# Altium PCB MainBoard_6_layers.PcbDoc (part 5 of 6)
Units mil, origin at the board's own origin, x right, y up, seen from the top; angles counter-clockwise.
Board outline 6692.91 x 6692.91 mil, 6 copper layers (Top Layer, Layer 1, Layer 3, Layer 4, Layer 2, Bottom Layer), stack 32.112 mil thick; 236 components, 405 nets, 1909 pads, 1279 vias.
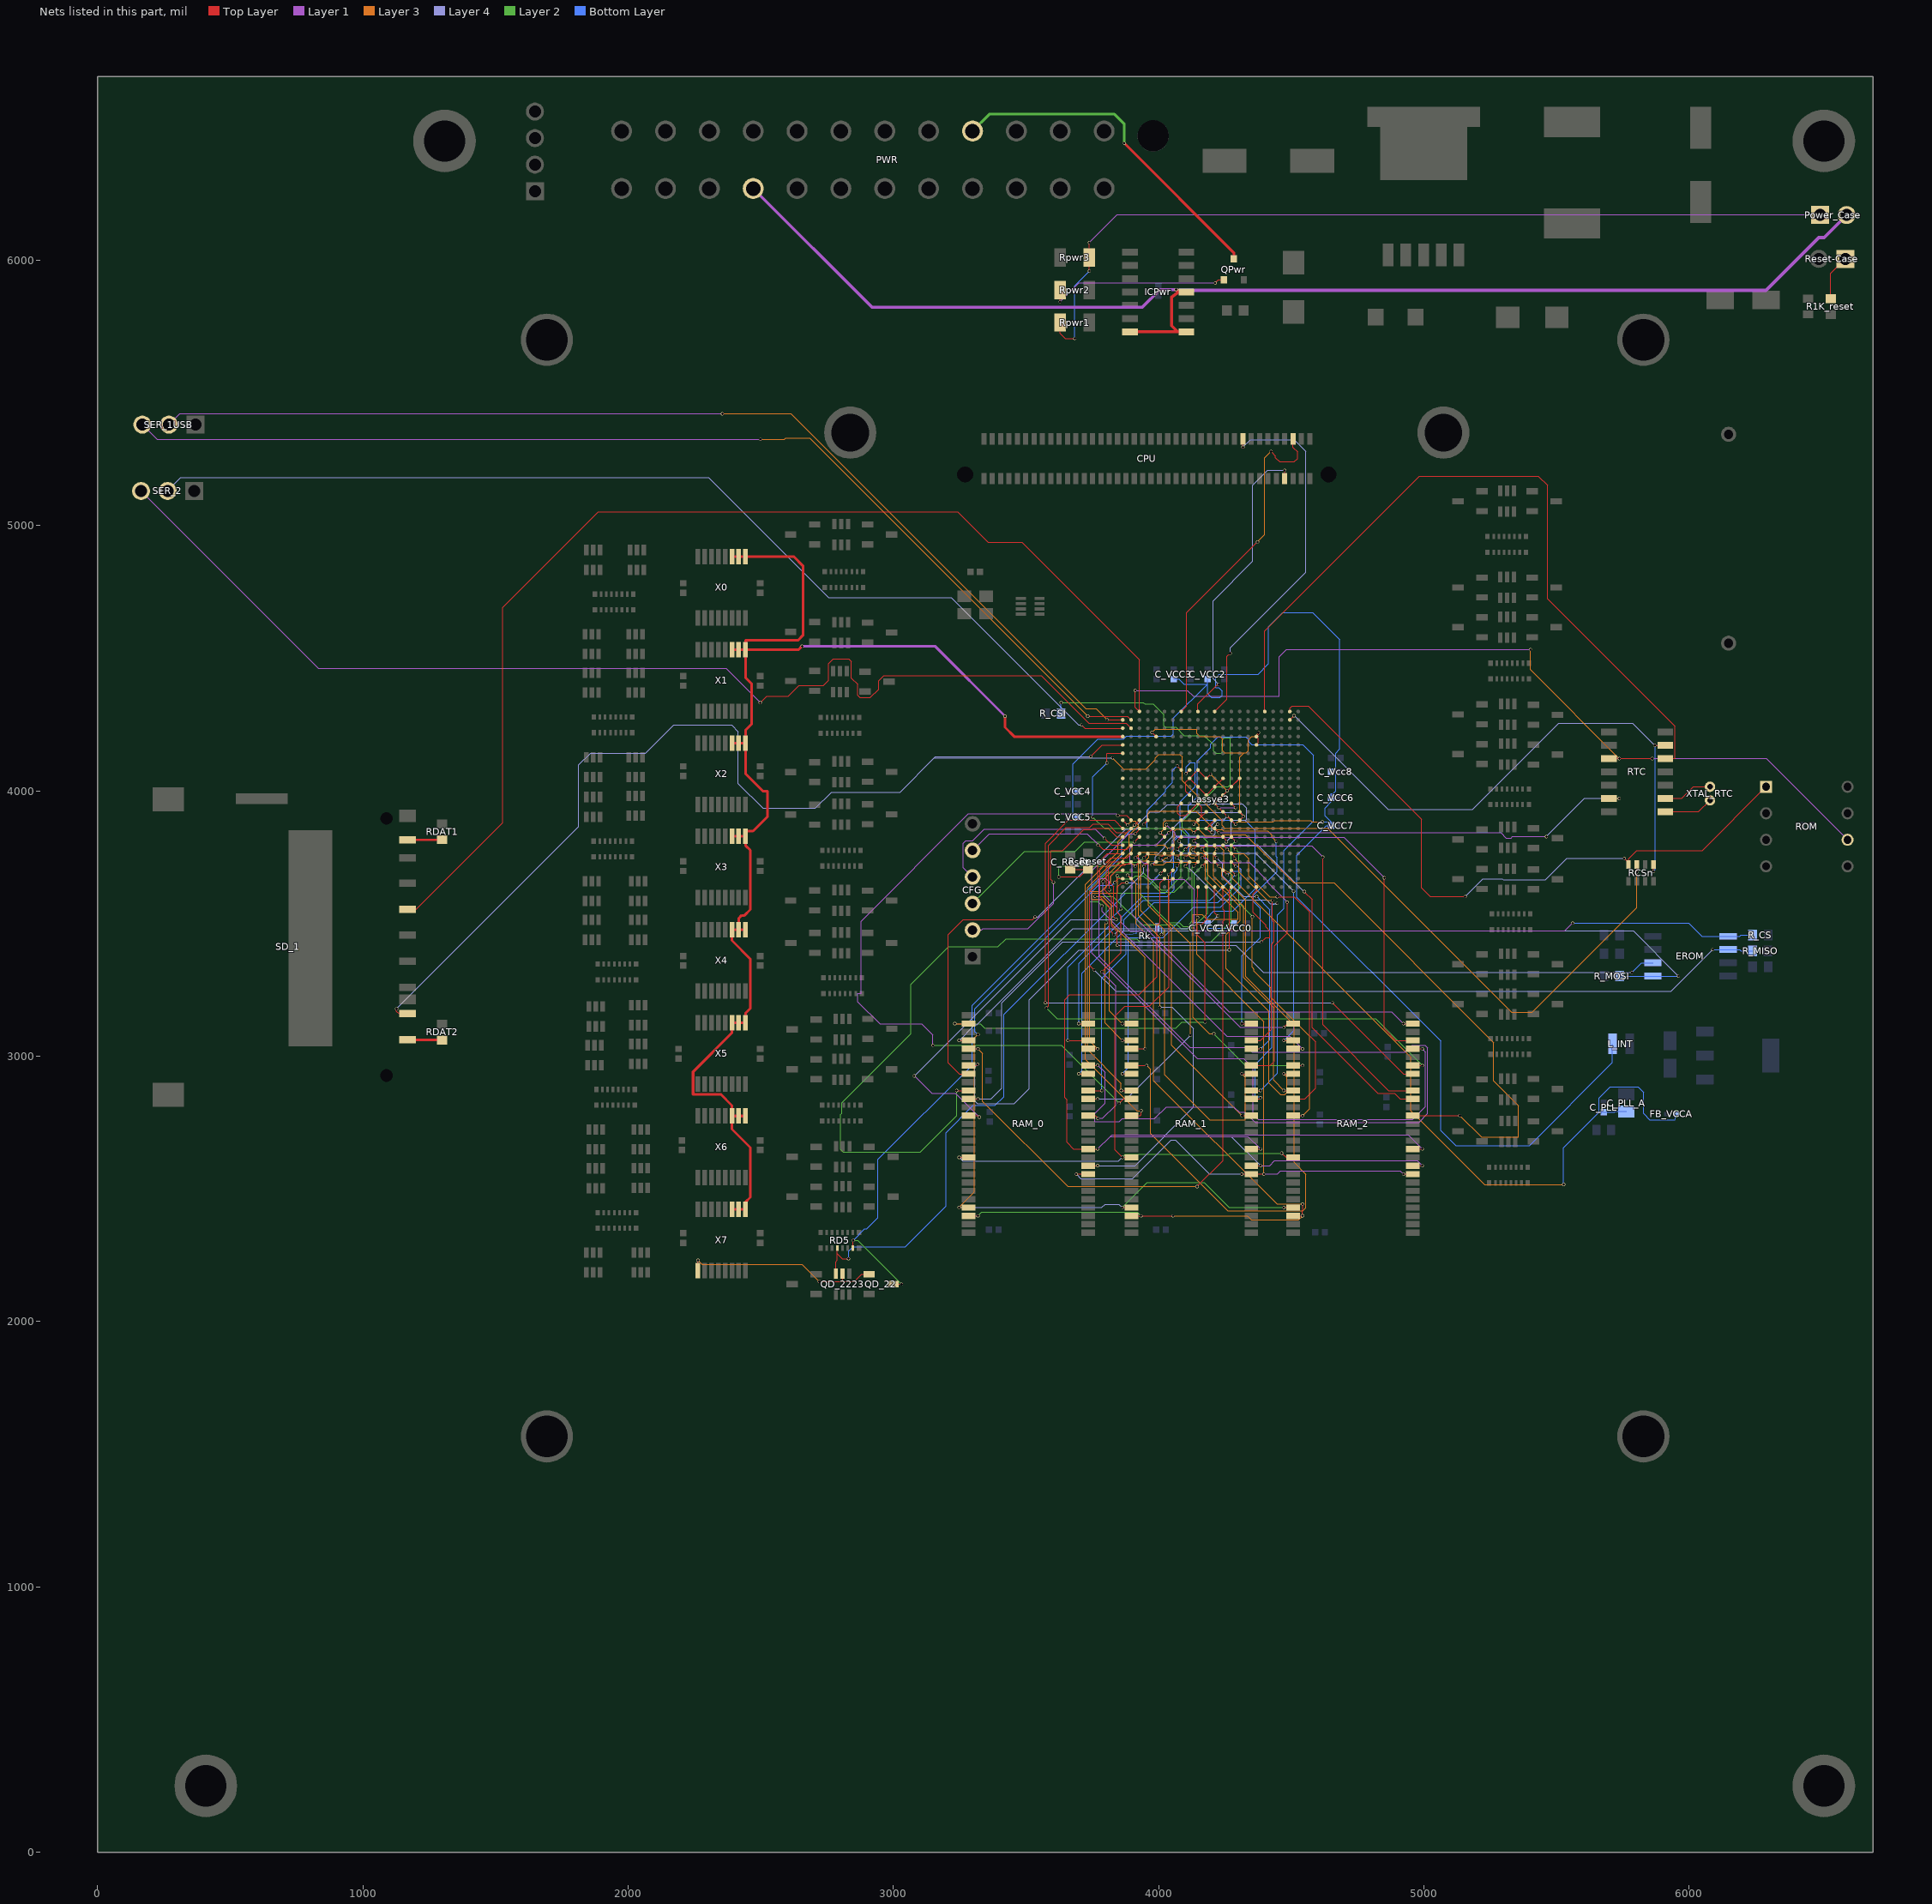
[diagram p9: the nets of this part, all layers, seen from the top]

## Via types
v1: diameter 11.81, hole 9.84, Top Layer to Bottom Layer, tented both sides, 1273 vias
v2: diameter 11.81, hole 9.84, Top Layer to Bottom Layer, 3 vias
v3: diameter 19.68, hole 13.78, Top Layer to Bottom Layer, tented both sides, 2 vias
v4: diameter 47.24, hole 35.43, Top Layer to Bottom Layer, tented both sides, 1 vias

## Nets (pads, with @x,y where several pads share a name; then routed paths per layer and width w, separated by ;. In a path a pad name is that pad's centre, name@x,y a point inside that pad or via, vN(x,y) a via of type N, cw(c..) or ccw(c..) an arc to the next point about the centre after c; other vN are vias at no path point) (continued)
NetLassye3_AB10: Lassye3.AB10 RAM_0.35 RAM_1.35 RAM_2.35 | length 2631
  Top Layer w4: v1(3689.91,2556.02) RAM_0.35@3734.17,2556.02 ; v1(4146.91,3523) 4146.23,3523.69 4146.23,3559.16 Lassye3.AB10@4148.19,3638.22 ; v1(4313.78,2556.02) RAM_1.35@4349.17,2556.02 v1(4396.91,2556.02) ; v1(4922.89,2556) RAM_2.35@4958.43,2556.02
  Layer 1 w4: v1(4396.91,2556.02) 4448.03,2556.02 4459.91,2567.91 4910.98,2567.91 v1(4922.89,2556)
  Layer 3 w4: v1(4146.91,3523) 4143.91,3520 4143.91,3383.65 4396.91,3130.65 v1(4396.91,2556.02)
  Layer 4 w4: v1(3689.91,2556.02) 3706.94,2539 3902.2,2539 4046.9,2683.69 4063.91,2683.69 4191.58,2556.02 v1(4313.78,2556.02)
NetLassye3_AB11: Lassye3.AB11 RAM_0.2 | length 1556.8
  Top Layer w4: v1(3231.91,3123) v1(3231.91,3123) RAM_0.2@3283.15,3122.95 ; v1(4174.91,3129) 4174.91,3428.19 4146.01,3457.09 4146.01,3499.47 4164.47,3499.47 4179.69,3514.68 Lassye3.AB11@4179.69,3638.22
  Layer 2 w4: v1(3231.91,3123) 3327.18,3123 3344.18,3106 4064.91,3106 4087.91,3129 v1(4174.91,3129)
NetLassye3_AB12: Lassye3.AB12 RAM_0.4 | length 1319.9
  Top Layer w4: v1(3247.91,3059.96) RAM_0.4@3283.15,3059.96 ; Lassye3.AB12@4211.18,3638.22 4211.18,3541.86 v1(4223.91,3529.13)
  Layer 4 w4: v1(3247.91,3059.96) 3307.32,3119.36 3314.77,3119.36 3677.41,3482 4109.29,3482 4132.19,3504.91 4199.69,3504.91 v1(4223.91,3529.13)
NetLassye3_AB13: Lassye3.AB13 RAM_0.5 | length 2356.2
  Top Layer w4: RAM_0.5@3283.15,3028.46 v1(3318.91,3028.46) ; v1(4144.91,2509) 4242.68,2606.76 4242.68,3509.22 4247.09,3513.63 4247.09,3549.03 4242.68,3553.44 Lassye3.AB13@4242.68,3638.22
  Layer 3 w4: v1(3318.91,3028.46) 3335.91,3011.46 3335.91,2830.64 3657.55,2509 v1(4144.91,2509)
NetLassye3_AB14: Lassye3.AB14 RAM_0.7 | length 1819.3
  Top Layer w4: RAM_0.7@3283.15,2965.47 3313.39,2965.47 v1(3317.91,2970) ; v1(4266.41,3401) 4266.41,3630.46 Lassye3.AB14@4274.17,3638.22
  Layer 4 w4: v1(3317.91,2970) 3306.91,2959 3306.91,2832 3316.91,2822 3455.91,2822 3511.91,2878 3511.91,3213 3699.91,3401 v1(4266.41,3401)
NetLassye3_AB17: Lassye3.AB17 RAM_0.11 | length 1799.6
  Top Layer w4: RAM_0.11@3283.15,2839.49 3318.43,2839.49 v1(3318.91,2839) ; Lassye3.AB17@4368.66,3638.22 4368.66,3625.1 4356.01,3612.44 4356.01,3542.07 4403.91,3494.16 4403.91,3487.81 4419.82,3471.91 4419.82,3448.09 4404.01,3448.09 v1(4386.91,3431)
  Layer 4 w4: v1(3318.91,2839) 3367.91,2839 3408.91,2880 3408.91,3202 3637.91,3431 v1(4386.91,3431)
NetLassye3_H8: Lassye3.H8 QD_22.3 RD5.7 | length 2663.3
  Top Layer w4: RD5.7@2847.4,2277 2848.03,2277.63 2848.03,2305.42 v1(2848.66,2306.05) ; QD_22.3@2998.94,2141.05 v1(3030.5,2141.05) ; v1(4069.91,4095) 4069.91,4094.45 Lassye3.H8@4085.2,4079.16
  Layer 2 w4: v1(2848.66,2306.05) 2865.5,2306.05 v1(3030.5,2141.05)
  Bottom Layer w4: v1(2848.66,2306.05) 2892.14,2349.53 2899.93,2349.53 2941.91,2391.51 2941.91,2611 3296.91,2966 3296.91,3192 3860.91,3756 3860.91,3816 3903.91,3859 3955.91,3859 3955.91,3928 4026.91,3999 4026.91,4007 4051.91,4032 4051.91,4077 v1(4069.91,4095)
NetLassye3_H9: Lassye3.H9 QD_2223.6 RD5.4 | length 2907
  Top Layer w4: QD_2223.6@2783.07,2180.42 2783.07,2226 2788.35,2231.27 2788.35,2256 ; RD5.4@2788.35,2277 2788.35,2256 ; v1(2830.91,2237) 2807.35,2237 2788.35,2256 ; v1(4103.66,4066.05) Lassye3.H9@4116.69,4079.12
  Bottom Layer w4: v1(2830.91,2237) 2830.91,2265 2847.91,2282 3044.91,2282 3197.91,2435 3197.91,2712 3300.91,2815 3383.44,2815 3416.44,2848 3416.44,3157.19 3875.26,3616 4024.91,3616 4050.01,3641.09 4050.01,3704.91 4056.91,3711.81 4056.91,3811 4075.2,3829.28 4086.41,3829.28 4086.41,3849.16 4081.04,3854.53 4081.04,3959.04 4137.91,4015.92 4137.91,4106.91 4119.91,4106.91 4103.66,4090.65 v1(4103.66,4066.05)
NetLassye3_P1: Lassye3.P1 RAM_1.10 | length 1253.1
  Top Layer w4: v1(3858.91,2870.98) RAM_1.10@3898.15,2870.98 ; Lassye3.P1@3864.73,3890.19 v1(3882.91,3872)
  Layer 3 w4: v1(3858.91,2870.98) 3858.91,2898 3732.01,3024.91 3732.01,3636.03 3888.91,3792.93 3888.91,3834 3924.91,3870 3911.91,3887 3897.91,3887 v1(3882.91,3872)
NetLassye3_P2: Lassye3.P2 RAM_1.11 | length 2732.1
  Top Layer w4: v1(3845.91,3908) 3878.41,3908 Lassye3.P2@3896.22,3890.19 ; v1(3851.43,2823) 3867.91,2839.49 RAM_1.11@3898.15,2839.49
  Layer 1 w4: v1(3148.66,3041.05) 3148.66,3080.25 3106.91,3122 2949.28,3122 2865.94,3205.34 2865.94,3237.09 2877.82,3237.09 2877.82,3509.49 3282.24,3913.91 3840.01,3913.91 v1(3845.91,3908)
  Layer 2 w4: v1(3148.66,3041.05) 3633.37,3041.05 v1(3851.43,2823)
NetLassye3_P3: Lassye3.P3 RAM_1.13 | length 1328.7
  Top Layer w4: RAM_1.13@3898.15,2776.5 3931.41,2776.5 3933.91,2779 v1(3933.91,2795) ; v1(3908.84,3871.31) Lassye3.P3@3927.72,3890.19
  Layer 3 w4: v1(3908.84,3871.31) 3846.84,3809.31 3846.84,3770.34 3724.01,3647.51 3724.01,2988.91 3917.91,2795 v1(3933.91,2795)
NetLassye3_P4: Lassye3.P4 RAM_1.53 | length 1408.5
  Top Layer w4: v1(3943.91,3874) 3943.91,3874.44 3959.21,3889.74 Lassye3.P4@3959.21,3890.19 ; v1(4313.91,3123) v1(4313.91,3123) RAM_1.53@4349.17,3122.95
  Layer 3 w4: v1(3943.91,3874) 3959.91,3890 3959.91,3916 3967.91,3924 4140.91,3924 4209.91,3855 4238.91,3855 4244.91,3849 4410.91,3849 4426.41,3833.51 4426.41,3826.47 v1(4443.4,3809.48)
  Bottom Layer w4: v1(4313.91,3123) 4313.91,3379 4382.91,3448 4382.91,3558 4357.91,3583 4357.91,3607 4446.91,3696 4446.91,3749.93 4443.4,3753.44 v1(4443.4,3809.48)
NetLassye3_P8: Lassye3.P8
NetLassye3_R1: Lassye3.R1 RAM_2.47 | length 2438.3
  Top Layer w4: v1(3572.91,3202) 3572.91,3803 3659.86,3889.95 3833.47,3889.95 Lassye3.R1@3864.73,3858.69 ; v1(4654.91,3202) 4922.94,2933.98 RAM_2.47@4958.43,2933.98
  Layer 4 w4: v1(3572.91,3202) v1(4654.91,3202)
NetLassye3_R2: Lassye3.R2 RAM_2.48 | length 2522.6
  Top Layer w4: v1(3576.91,3182) 3584.91,3190 3584.91,3795 3651.96,3862.04 3740.15,3862.04 3753.01,3874.91 3808.82,3874.91 3840.73,3843 3880.53,3843 Lassye3.R2@3896.22,3858.69 ; RAM_2.48@4958.43,2965.47 v1(4993.91,2965.47)
  Layer 2 w4: v1(3576.91,3182) 3617.44,3141.48 4817.91,3141.48 v1(4993.91,2965.47)
NetLassye3_R3: Lassye3.R3 RAM_2.50 | length 2456.2
  Top Layer w4: v1(3911.91,3839) 3923.91,3851 Lassye3.R3@3927.72,3858.69 ; RAM_2.50@4958.43,3028.46 4993.45,3028.46 v1(4993.91,3028)
  Layer 1 w4: v1(3911.91,3839) 3886.9,3839 3748.01,3700.11 3748.01,3388.91 4145.91,2991 4319.91,2991 4356.29,2954.62 4356.29,2780.62 4374.91,2762 4957.91,2762 5005.91,2810 5005.91,3016 v1(4993.91,3028)
NetLassye3_R6: Lassye3.R6 RAM_2.51 | length 1619.6
  Top Layer w4: Lassye3.R6@4022.21,3858.69 4029.91,3866.4 v1(4029.91,3873) ; v1(4850.91,3673) 4850.91,3104 4894.95,3059.96 RAM_2.51@4958.43,3059.96
  Layer 1 w4: v1(4029.91,3873) 4061.91,3841 4061.91,3835 4071.91,3825 4698.91,3825 v1(4850.91,3673)
NetLassye3_R7: Lassye3.R7 RAM_2.53 | length 1674.8
  Top Layer w4: v1(4038.01,3843) Lassye3.R7@4053.7,3858.69 ; v1(4922.91,3123) v1(4922.91,3123) RAM_2.53@4958.43,3122.95
  Layer 1 w4: v1(4038.01,3843) 3991.01,3796 3903.91,3796 3891.91,3784 3891.91,3729 3899.91,3721 3899.91,3534 4265.91,3168 4877.91,3168 v1(4922.91,3123)
NetLassye3_R10: Lassye3.R10 RAM_0.36 RAM_1.36 RAM_2.36 | length 3129.8
  Top Layer w4: RAM_0.36@3734.17,2587.52 3769.43,2587.52 v1(3769.91,2588) ; v1(4132.71,3843.21) Lassye3.R10@4148.19,3858.69 ; RAM_1.36@4349.17,2587.52 v1(4384.57,2587.52) ; RAM_2.36@4958.43,2587.52 v1(4993.91,2587.52)
  Layer 1 w4: v1(4384.57,2587.52) 4418.43,2587.52 4436.91,2606 4975.43,2606 v1(4993.91,2587.52)
  Layer 3 w4: v1(4004.91,3185) 4004.91,3448 3923.91,3529 3923.91,3760 3932.23,3768.31 3994.51,3768.31 4045.91,3768 4057.91,3780 4057.91,3848 4065.92,3856.01 4119.91,3856.01 v1(4132.71,3843.21)
  Layer 4 w4: v1(3769.91,2588) 3910.91,2588 ; v1(4004.91,3185) 4050.91,3185 4131.91,3104 4131.91,2809 3910.91,2588 ; v1(4384.57,2587.52) 4274.09,2698 4021.05,2698 3911.05,2588 3910.91,2588
NetLassye3_T6: Lassye3.T6 RAM_2.42 | length 2502.2
  Top Layer w4: v1(4005.91,3842) 4007.4,3842 Lassye3.T6@4022.21,3827.2 ; RAM_2.42@4958.43,2776.5 v1(5135.42,2776.5)
  Layer 3 w4: v1(4005.91,3842) 4018.01,3854.09 4018.01,3880 4026.01,3888 4135.91,3888 4151.91,3872 4151.91,3855 4175.91,3831 4237.91,3831 4242.91,3836 4327.23,3836 4509.23,3654 4660.91,3654 5262.91,3052 5262.91,2907 5356.91,2813 5356.91,2695 5216.91,2695 v1(5135.42,2776.5)
NetLassye3_T8: Lassye3.T8 RAM_2.44 | length 1586.5
  Top Layer w4: v1(4076.91,3811) 4076.91,3818.91 Lassye3.T8@4085.2,3827.2 ; v1(4548.91,3621) 4578.91,3591 4578.91,3108 4826.91,2860 4889.4,2860 4909.91,2839.49 RAM_2.44@4958.43,2839.49
  Layer 4 w4: v1(4076.91,3811) 4091.91,3796 4373.91,3796 v1(4548.91,3621)
NetLassye3_T10: Lassye3.T10 RAM_2.45 | length 1606.9
  Top Layer w4: v1(4132.91,3811.92) Lassye3.T10@4148.19,3827.2 ; v1(4618.91,3751) 4618.91,3119.38 4867.31,2870.98 RAM_2.45@4958.43,2870.98
  Layer 1 w4: v1(4132.91,3811.92) 4151.75,3793.09 4576.83,3793.09 v1(4618.91,3751)
NetLassye3_T13: Lassye3.T13 RAM_0.8 | length 2131.4
  Top Layer w4: RAM_0.8@3283.15,2933.98 3247.91,2933.98 3205.91,2975.98 3205.91,3458 3263.91,3516 3524.91,3516 v1(3533.91,3525) ; Lassye3.T13@4242.68,3827.2 4254.91,3814.96 v1(4254.91,3808)
  Layer 4 w4: v1(3533.91,3525) 3544.45,3525 3875.45,3856 3915.91,3856 3923.91,3864 3923.91,3877 3967.91,3921 4004.01,3921 4031.91,3948.91 4191.91,3948.91 4195.01,3952 4315.91,3952 4331.91,3936 4331.91,3894.09 4327.82,3890 4283.91,3890 4273.91,3880 4273.91,3827 v1(4254.91,3808)
NetLassye3_T14: Lassye3.T14 RAM_0.10 | length 3017.5
  Top Layer w4: v1(3238.66,2871.05) 3283.08,2871.05 RAM_0.10@3283.15,2870.98 ; Lassye3.T14@4274.17,3827.2 4289.91,3811.46 v1(4289.91,3811)
  Layer 2 w4: v1(3238.66,2871.05) 3238.66,2775.75 3101.91,2639 2810.91,2639 2801.6,2648.31 2801.6,2780.93 2805.57,2784.9 2805.57,2825.65 3065.91,3086 3065.91,3271 3207.57,3412.65 3394.57,3412.65 3425.09,3443.18 3917.17,3443.18 3928.51,3431.84 4197.76,3431.84 4273.91,3508 4273.91,3795 v1(4289.91,3811)
NetLassye3_U7: Lassye3.U7 RAM_2.2 | length 1349.6
  Top Layer w4: v1(4037.96,3779.96) Lassye3.U7@4053.7,3795.7 ; v1(4471.91,3109) 4485.87,3122.95 RAM_2.2@4507.4,3122.95
  Layer 1 w4: v1(3790.91,3659) 3790.91,3612.95 3842.91,3560.95 3842.91,3543.72 3858.73,3527.91 3858.73,3505.19 3891.91,3472 3943.91,3472 4306.91,3109 v1(4471.91,3109)
  Layer 3 w4: v1(3790.91,3659) 3790.91,3666 3899.91,3775 3899.91,3796 4021.91,3796 v1(4037.96,3779.96)
NetLassye3_U8: Lassye3.U8 RAM_2.4 | length 1139.1
  Top Layer w4: v1(4069.91,3780.42) Lassye3.U8@4085.2,3795.7 ; v1(4471.91,3059.96) RAM_2.4@4507.4,3059.96
  Layer 4 w4: v1(4069.91,3780.42) 4085.33,3765 4365.91,3765 v1(4508.91,3622)
  Bottom Layer w4: v1(4471.91,3059.96) 4508.91,3096.96 v1(4508.91,3622)
NetLassye3_U9: Lassye3.U9 RAM_2.5 | length 1677.1
  Top Layer w4: v1(4100.91,3780) 4100.99,3780 Lassye3.U9@4116.69,3795.7 ; RAM_2.5@4507.4,3028.46 4541.99,3028.46 v1(4542.45,3028)
  Layer 1 w4: v1(3786.91,3566.81) 3786.91,3546.16 4258.08,3075 4495.45,3075 v1(4542.45,3028)
  Layer 2 w4: v1(3786.91,3566.81) 3770.86,3582.87 3740.01,3582.87 3740.01,3627.09 3807.91,3695 3939.23,3695 3953.72,3680.51 3956.58,3680.51 4010.15,3626.94 4033.85,3626.94 4084.91,3678 4084.91,3764 v1(4100.91,3780)
NetLassye3_U10: Lassye3.U10 RAM_2.7 | length 1460.1
  Top Layer w4: v1(4130.2,3777.71) Lassye3.U10@4148.19,3795.7 ; RAM_2.7@4507.4,2965.47 v1(4542.91,2965.47)
  Layer 2 w4: v1(4207.91,3085) 4327.44,2965.47 v1(4542.91,2965.47)
  Layer 3 w4: v1(4130.2,3777.71) 4140.01,3767.91 4164.01,3767.91 4175.91,3756 4175.91,3665.79 4298.8,3542.91 4298.8,3517.22 4181.69,3517.22 4163.91,3535 4128.91,3535 4128.91,3146.38 4190.29,3085 v1(4207.91,3085)
NetLassye3_U11: Lassye3.U11 RAM_2.8 | length 1250.4
  Top Layer w4: v1(4163.95,3779.96) Lassye3.U11@4179.69,3795.7 ; v1(4471.94,2934) RAM_2.8@4507.4,2933.98
  Layer 3 w4: v1(4163.95,3779.96) 4186.91,3757 4186.91,3683.12 4306.8,3563.23 4306.8,3511.38 4253.91,3458.49 4253.91,3331.29 4415.91,3169.29 4415.91,2900 4459.91,2856 4475.91,2856 4483.91,2864 4483.91,2922.02 v1(4471.94,2934)
NetLassye3_U12: Lassye3.U12 RAM_2.10 | length 1078.1
  Top Layer w4: Lassye3.U12@4211.18,3795.7 4211.18,3787.73 v1(4218.91,3780) ; v1(4471.93,2870.98) RAM_2.10@4507.4,2870.98
  Layer 3 w4: v1(4218.91,3780) 4206.91,3768 4206.91,3678.02 4319.86,3565.07 4319.86,3296.86 4432.91,3183.81 4432.91,2910 v1(4471.93,2870.98)
NetLassye3_U13: Lassye3.U13 RAM_2.11 | length 1242.8
  Top Layer w4: Lassye3.U13@4242.68,3795.7 4258.38,3780 v1(4258.91,3780) ; v1(4446.76,3601.05) 4511.86,3601.05 4568.91,3544 4568.91,3077 4591.91,3054 4591.91,2880 4551.4,2839.49 RAM_2.11@4507.4,2839.49
  Layer 3 w4: v1(4258.91,3780) 4274.91,3764 4319.91,3764 4339.91,3744 4339.91,3680 4418.86,3601.05 v1(4446.76,3601.05)
NetLassye3_U14: Lassye3.U14 RAM_2.13 | length 1189.8
  Top Layer w4: Lassye3.U14@4274.17,3795.7 v1(4289.87,3780) ; RAM_2.13@4507.4,2776.5 4542.42,2776.5 v1(4542.91,2776)
  Layer 2 w4: v1(4289.87,3780) 4301.91,3767.96 4301.91,3578 4353.66,3526.25 v1(4353.66,3526.05)
  Layer 3 w4: v1(4353.66,3526.05) 4352.82,3525.21 4352.82,3335 4359.82,3328 4359.82,3320.71 4424.49,3256.04 4424.49,3220.33 4569.91,3074.91 4569.91,2803 v1(4542.91,2776)
NetLassye3_V6: Lassye3.V6 R_CSI.1 | length 1786.5
  Top Layer w4: v1(4006.91,3748) 4007.42,3748 4022.21,3762.79 Lassye3.V6@4022.21,3764.2
  Layer 2 w4: v1(3632.44,4333) 3942.91,4333 3947.91,4328 3979.91,4328 4019.91,4288 4019.91,4246.31 4025.91,4240.31 4064.6,4240.31 4095.91,4209 4171.91,4209 4206.91,4174 4206.91,4151 4215.91,4142 4234.91,4142 4238.82,4145.91 4238.82,4192 4247.82,4201 4270.91,4201 4270.91,4024 4262.91,4016 4219.91,4016 4088.91,3885 4088.91,3863 4092.91,3859 4205.91,3859 v1(4221.91,3875)
  Layer 4 w4: v1(4006.91,3748) 4020.91,3734 4041.91,3734 4051.91,3744 4051.91,3814 4067.79,3829.88 4204.27,3829.88 4214.39,3840 4214.39,3867.47 v1(4221.91,3875)
  Bottom Layer w4: R_CSI.1@3632.44,4292.39 v1(3632.44,4333)
NetLassye3_V7: Lassye3.V7 RAM_1.42 | length 1242.9
  Top Layer w4: v1(4037.91,3748) 4037.91,3748.42 Lassye3.V7@4053.7,3764.2 ; v1(4314.42,2776.5) RAM_1.42@4349.17,2776.5
  Layer 3 w4: v1(4037.91,3748) 4025.91,3748 4013.91,3736 3961.16,3733.85 3961.16,3569.11 4048.59,3481.68 4048.59,3042.32 v1(4314.42,2776.5)
NetLassye3_V8: Lassye3.V8 RAM_1.44 | length 1313.8
  Top Layer w4: v1(4068.95,3747.96) Lassye3.V8@4085.2,3764.2 ; RAM_1.44@4349.17,2839.49 4380.4,2839.49 v1(4384.91,2844)
  Layer 4 w4: v1(4068.95,3747.96) 4080.91,3736 4108.91,3736 4116.91,3728 4116.91,3708 4235.91,3589 4407.91,3589 4421.2,3575.71 4445.47,3575.71 v1(4446.76,3577)
  Bottom Layer w4: v1(4384.91,2844) 4381.2,2847.71 4364.01,2847.71 4364.01,2969.09 4427.82,3032.91 4427.82,3567.91 4435.42,3575.51 4445.26,3575.51 v1(4446.76,3577)
NetLassye3_V9: Lassye3.V9 RAM_1.45 | length 2324.7
  Top Layer w4: v1(4100.91,3748) 4100.91,3748.42 Lassye3.V9@4116.69,3764.2 ; RAM_1.45@4349.17,2870.98 v1(4383.91,2870.98)
  Bottom Layer w4: v1(4100.91,3748) 4114.01,3761.1 4114.01,3837.03 4089.04,3862 4089.04,3889 4111.91,3911.87 4111.91,3943 4145.91,3977 4145.91,4114 4195.91,4164 4195.91,4176 4223.91,4204 4328.91,4204 4340.91,4192 4340.91,4184 4350.91,4174 4543.91,4174 4583.91,4134 4583.91,3886.81 4472.82,3775.72 4472.82,3557.09 4448.82,3533.09 4448.82,2935.89 v1(4383.91,2870.98)
NetLassye3_V10: Lassye3.V10 RAM_1.47 | length 1685.4
  Top Layer w4: v1(4139.91,3748) 4141.41,3749.49 4141.41,3754.72 4148.19,3761.5 Lassye3.V10@4148.19,3764.2 ; v1(4313.91,2933.98) RAM_1.47@4349.17,2933.98
  Layer 3 w4: v1(4139.91,3748) 4122.3,3748 4110.3,3760 3987.23,3760 3986.91,3760.31 3962.91,3760.31 3962.91,3749 3949.91,3736 3939.91,3736 3931.91,3728 3931.91,3549 3983.91,3497 3999.91,3497 4022.91,3474 4022.91,2930 4191.91,2761 4326.91,2761 4326.91,2920.98 v1(4313.91,2933.98)
NetLassye3_V11: Lassye3.V11 RAM_1.48 | length 1130.2
  Top Layer w4: v1(4163.91,3748) 4163.91,3748.43 Lassye3.V11@4179.69,3764.2 ; RAM_1.48@4349.17,2965.47 4419.91,2965.47 4436.91,2982.47 4436.91,3417.19 4484.91,3465.19 4484.91,3580.87 v1(4484.72,3581.05)
  Layer 1 w4: v1(4163.91,3748) 4177.99,3748 4195.99,3730 4342.91,3730 4413.07,3659.84 4413.07,3653.48 4484.72,3581.83 v1(4484.72,3581.05)
NetLassye3_V12: Lassye3.V12 RAM_1.50 | length 901.6
  Top Layer w4: Lassye3.V12@4211.18,3764.2 4211.18,3755.73 v1(4218.91,3748) ; RAM_1.50@4349.17,3028.46 v1(4384.91,3028.46)
  Layer 4 w4: v1(4218.91,3748) 4241.91,3725 4241.91,3680 4319.91,3602 v1(4369.91,3602)
  Bottom Layer w4: v1(4369.91,3602) 4419.82,3552.09 4419.82,3063.37 v1(4384.91,3028.46)
NetLassye3_V14: Lassye3.V14 RAM_1.51 | length 839.2
  Top Layer w4: Lassye3.V14@4274.17,3764.2 4284.42,3753.96 4284.42,3746.49 v1(4285.91,3745) ; RAM_1.51@4349.17,3059.96 4383.91,3059.96 4424.91,3100.96 4424.91,3421.19 4435.82,3432.09 4435.82,3505.54 4428.91,3512.44 v1(4428.91,3588)
  Layer 3 w4: v1(4285.91,3745) 4301.91,3729 4301.91,3695 4408.91,3588 v1(4428.91,3588)
NetLassye3_W2: Lassye3.W2 RAM_0.48 | length 3790.9
  Top Layer w4: RAM_0.48@3734.17,2965.47 3768.39,2965.47 v1(3769.91,2967) ; v1(3813.91,3627) 3813.91,3643 3810.82,3646.09 3810.82,3709.91 3820.62,3719.71 3872.52,3719.71 3877.71,3724.91 3885.71,3724.91 3893.52,3732.71 Lassye3.W2@3896.22,3732.71
  Layer 1 w4: v1(3769.91,2967) 3797.91,2939 3797.91,2823 3758.91,2784 3758.91,2754 3851.91,2754 3862.91,2765 3984.91,2765 4028.91,2809 4283.91,2809 4303.91,2789 4325.91,2789 4363.91,2751 4980.91,2751 5013.91,2784 5013.91,3032 5003.91,3042 4954.91,3042 4927.91,3015 4352.91,3015 4334.91,3033 4117.91,3033 3774.91,3376 3774.91,3667 3778.91,3671 3799.91,3671 3813.91,3657 v1(3813.91,3627)